# Altium PCB PCB-Tester-Board-V1.PcbDoc (part 3 of 3)
Units mm, origin at the board's own origin, x right, y up, seen from the top; angles counter-clockwise.
Board outline 400 x 300 mm, 2 copper layers (Top Layer, Bottom Layer); 573 components, 588 nets, 2372 pads, 0 vias.
Unrouted connection lines stored in the file: 1691.
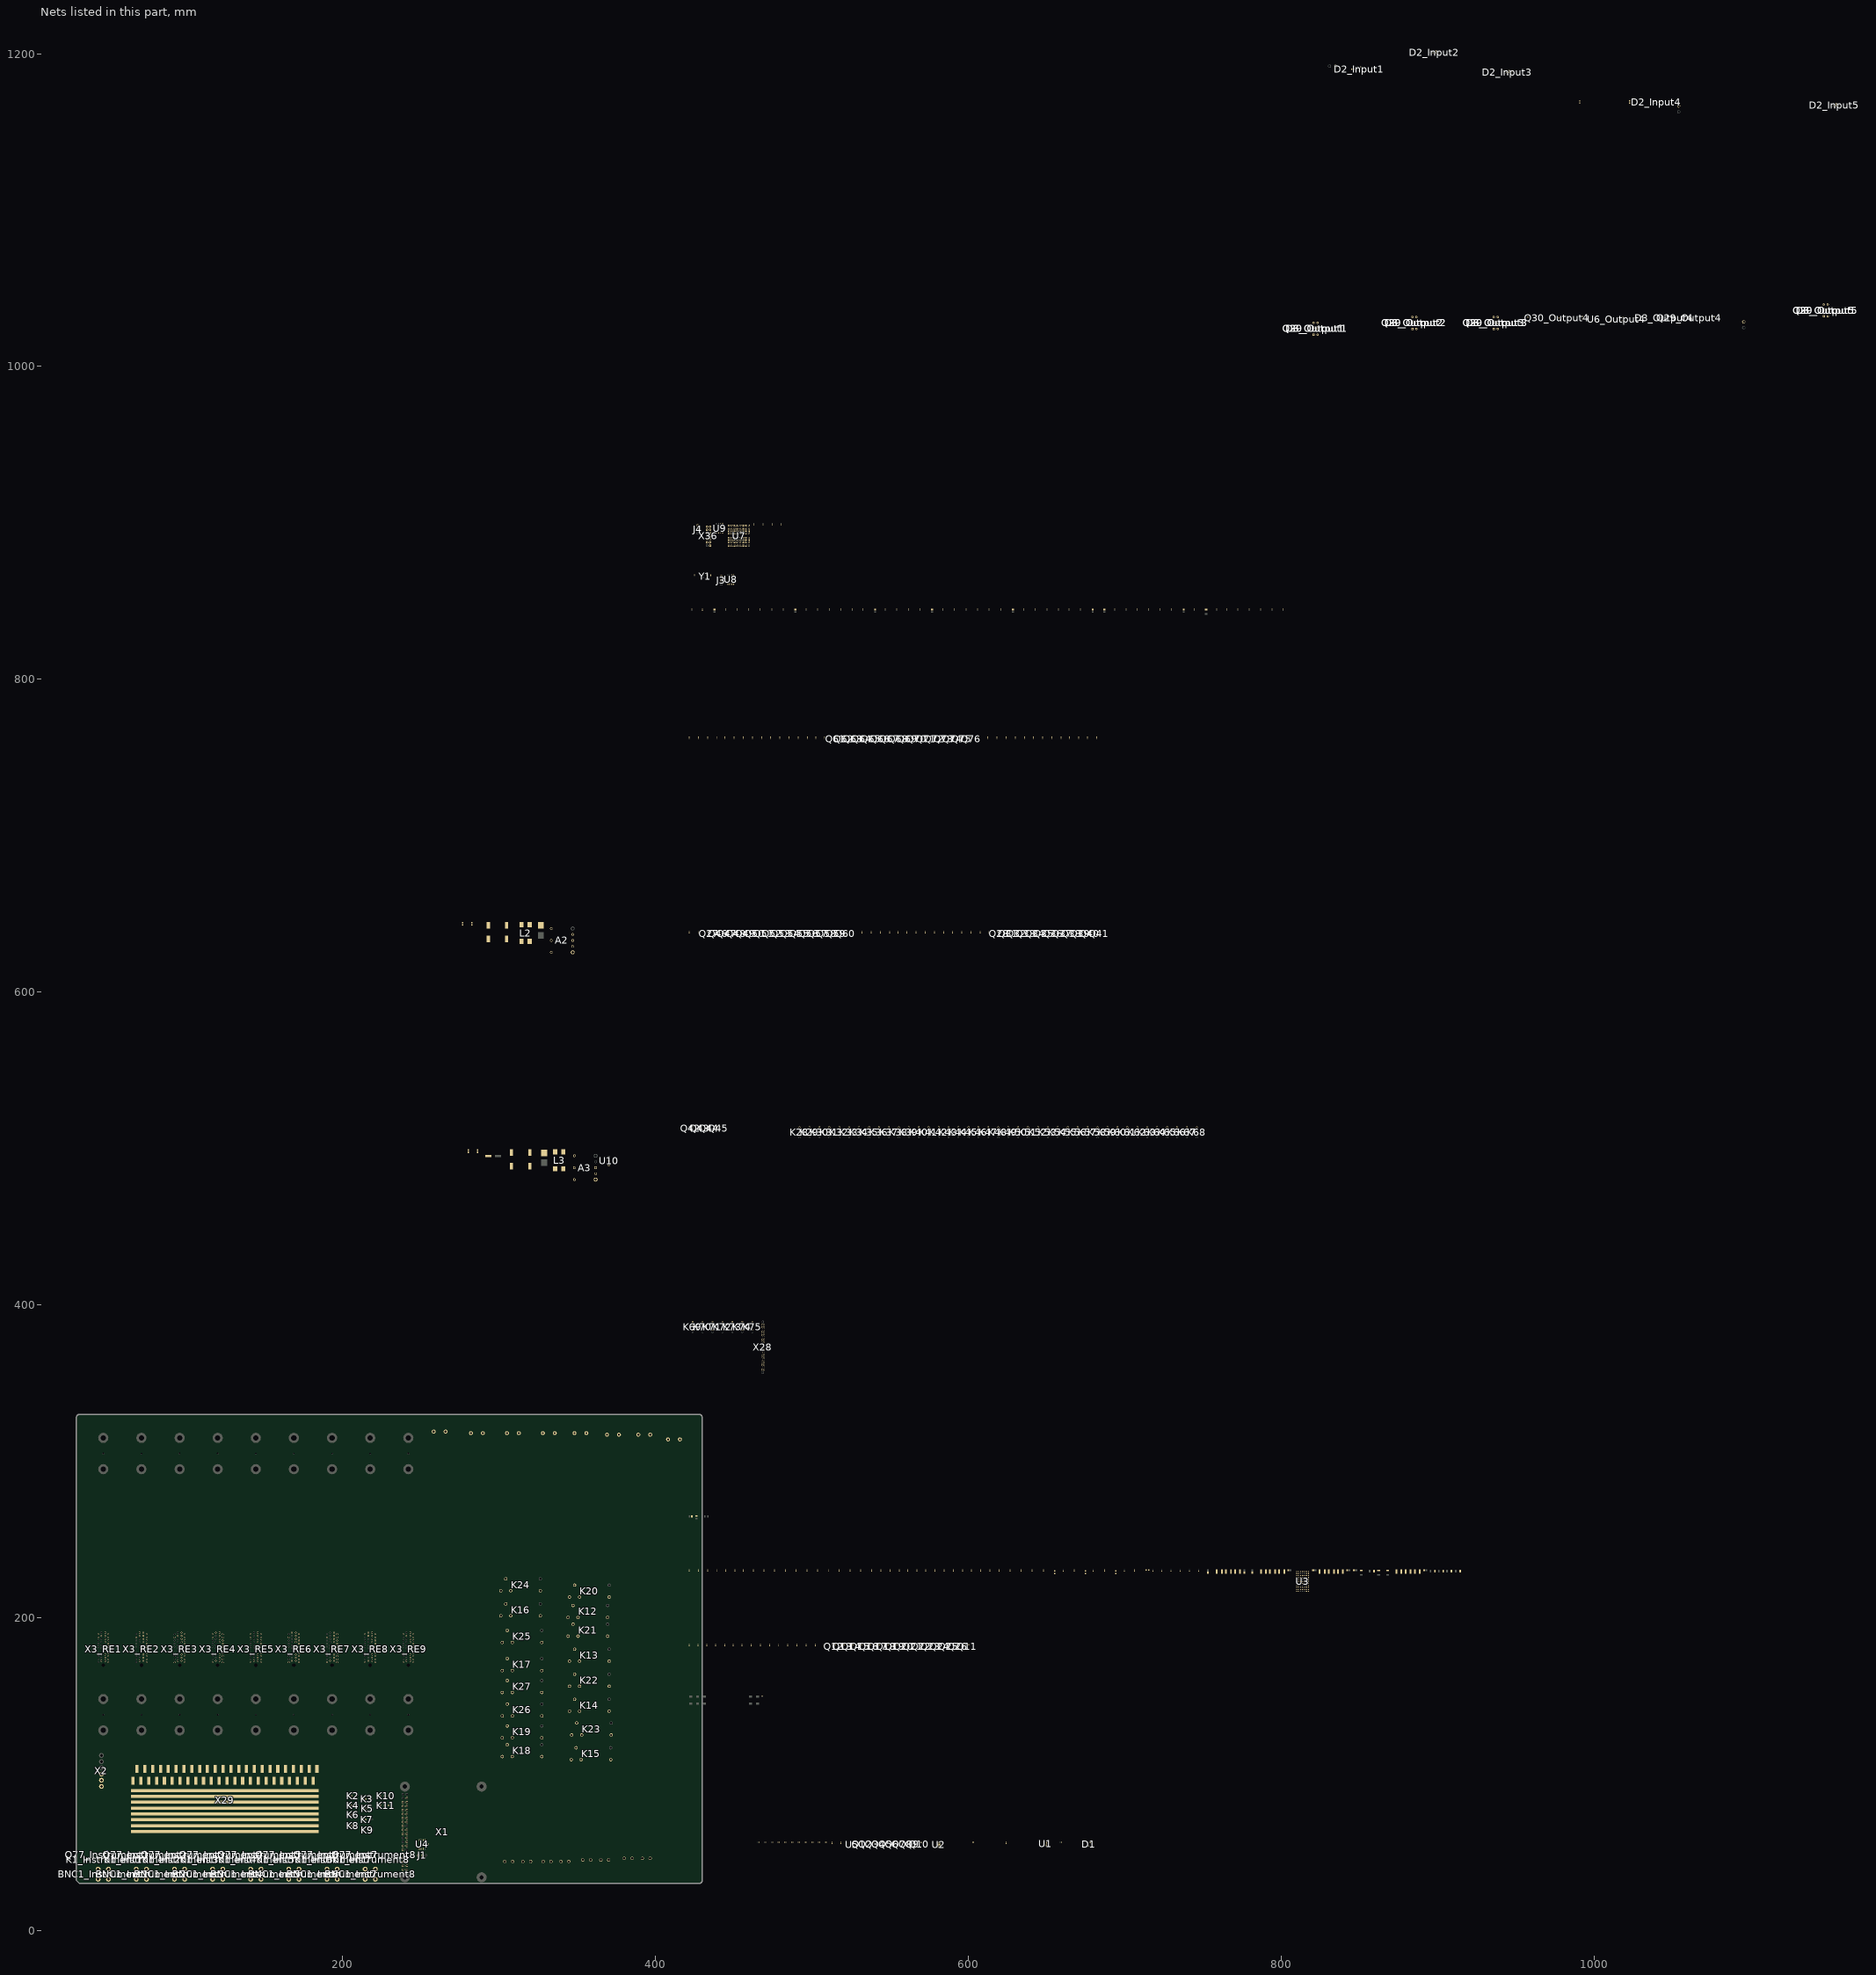
[diagram p3: the nets of this part, all layers, seen from the top]

## Nets (pads, with @x,y where several pads share a name; then routed paths per layer and width w, separated by ;. In a path a pad name is that pad's centre, name@x,y a point inside that pad or via, vN(x,y) a via of type N, cw(c..) or ccw(c..) an arc to the next point about the centre after c; other vN are vias at no path point) (continued)
\CS4: X1.7 X3_RE3.B18
\CS5: X1.5 X3_RE4.B18
\CS6: X1.3 X3_RE5.B18
\CS7: X1.36 X3_RE6.B18
\CS8: X1.33 X3_RE7.B18
\CS9: X1.8 X3_RE8.B18
\CS10: X1.10 X3_RE9.B18
ABUS0: K1_Instrument1.4 K2.3 X3_RE1.A1 X3_RE2.A1 X3_RE3.A1 X3_RE4.A1 X3_RE5.A1 X3_RE6.A1 X3_RE7.A1 X3_RE8.A1 X3_RE9.A1 X29.ABUS0
ABUS1: K1_Instrument2.4 K3.3 X3_RE1.A2 X3_RE2.A2 X3_RE3.A2 X3_RE4.A2 X3_RE5.A2 X3_RE6.A2 X3_RE7.A2 X3_RE8.A2 X3_RE9.A2 X29.ABUS1
ABUS2: K1_Instrument3.4 K4.3 X3_RE1.A3 X3_RE2.A3 X3_RE3.A3 X3_RE4.A3 X3_RE5.A3 X3_RE6.A3 X3_RE7.A3 X3_RE8.A3 X3_RE9.A3 X29.ABUS2
ABUS3: K1_Instrument4.4 K5.3 X3_RE1.A4 X3_RE2.A4 X3_RE3.A4 X3_RE4.A4 X3_RE5.A4 X3_RE6.A4 X3_RE7.A4 X3_RE8.A4 X3_RE9.A4 X29.ABUS3
ABUS4: K1_Instrument5.4 K6.3 X3_RE1.A5 X3_RE2.A5 X3_RE3.A5 X3_RE4.A5 X3_RE5.A5 X3_RE6.A5 X3_RE7.A5 X3_RE8.A5 X3_RE9.A5 X29.ABUS4
ABUS5: K1_Instrument6.4 K7.3 X3_RE1.A6 X3_RE2.A6 X3_RE3.A6 X3_RE4.A6 X3_RE5.A6 X3_RE6.A6 X3_RE7.A6 X3_RE8.A6 X3_RE9.A6 X29.ABUS5
ABUS6: K1_Instrument7.4 K8.3 X3_RE1.A7 X3_RE2.A7 X3_RE3.A7 X3_RE4.A7 X3_RE5.A7 X3_RE6.A7 X3_RE7.A7 X3_RE8.A7 X3_RE9.A7 X29.ABUS6
ABUS7: K1_Instrument8.4 K9.3 X3_RE1.A8 X3_RE2.A8 X3_RE3.A8 X3_RE4.A8 X3_RE5.A8 X3_RE6.A8 X3_RE7.A8 X3_RE8.A8 X3_RE9.A8 X29.ABUS7
COMP1_54: C49.1 R110.2 U3.B7
COMP2_54: C46.1 R107.2 U3.E7
COMP3_54: C43.1 R109.2 U3.H7
COMP4_54: C40.1 R108.2 U3.L7
DRV1: Q1.1 R2.2 U7.F5
DRV2: Q2.1 R3.2 U7.C6
DRV3: Q3.1 R4.2 U7.C5
DRV4: Q4.1 R5.2 U7.B7
DRV5: Q5.1 R6.2 U7.B6
DRV6: Q6.1 R7.2 U7.A6
DRV7: Q7.1 R8.2 U7.A5
DRV8: Q8.1 R9.2 U7.D8
DRV9: Q9.1 R14.2 U7.C7
DRV10: Q10.1 R15.2 U7.E6
DRV11: Q30_Output5.1 R38_Output5.2 U7.E5
DRV12: Q30_Output4.1 R38_Output4.2 U7.E7
DRV13: Q30_Output3.1 R38_Output3.2 U7.D7
DRV14: Q30_Output2.1 R38_Output2.2 U7.C4
DRV15: Q30_Output1.1 R38_Output1.2 U7.B4
DRV16: Q77_Instrument1.1 R1_Instrument1.2 U7.A4
DRV17: Q77_Instrument2.1 R1_Instrument2.2 U7.A3
DRV18: Q77_Instrument3.1 R1_Instrument3.2 U7.B1
DRV19: Q77_Instrument4.1 R1_Instrument4.2 U7.A1
DRV20: Q77_Instrument5.1 R1_Instrument5.2 U7.B3
DRV21: Q77_Instrument6.1 R1_Instrument6.2 U7.B2
DRV22: Q77_Instrument7.1 R1_Instrument7.2 U7.D5
DRV23: Q77_Instrument8.1 R1_Instrument8.2 U7.D4
DRV24: Q12.1 R17.2 U7.E3
DRV25: Q13.1 R18.2 U7.D3
DRV26: Q14.1 R19.2 U7.F4
DRV27: Q15.1 R20.2 U7.F3
DRV28: Q16.1 R21.2 U7.E2
DRV29: Q17.1 R22.2 U7.D2
DRV30: Q18.1 R23.2 U7.H2
DRV31: Q19.1 R24.2 U7.G2
DRV32: Q20.1 R25.2 U7.C2
DRV33: Q21.1 R26.2 U7.C1
DRV34: Q22.1 R27.2 U7.H1
DRV35: Q23.1 R28.2 U7.G1
DRV36: Q24.1 R29.2 U7.F1
DRV37: Q25.1 R30.2 U7.E1
DRV38: Q26.1 R31.2 U7.G6
DRV39: Q11.1 R16.2 U7.F6
DRV40: Q28.1 R33.2 U7.G4
DRV41: Q31.1 R48.2 U7.G3
DRV42: Q32.1 R49.2 U7.J4
DRV43: Q33.1 R50.2 U7.H4
DRV44: Q34.1 R51.2 U7.J3
DRV45: Q35.1 R52.2 U7.J2
DRV46: Q36.1 R53.2 U7.K2
DRV47: Q37.1 R54.2 U7.K1
DRV48: Q38.1 R55.2 U7.H6
DRV49: Q39.1 R56.2 U7.H5
DRV50: Q40.1 R57.2 U7.J5
DRV51: Q41.1 R58.2 U7.K6
DRV52: Q42.1 R59.2 U7.L1
DRV53: Q43.1 R60.2 U7.M1
DRV54: Q44.1 R61.2 U7.K3
DRV55: Q45.1 R62.2 U7.L3
DRV56: Q27.1 R32.2 U7.N2
DRV57: Q46.1 R63.2 U7.N1
DRV58: Q47.1 R64.2 U7.M3
DRV59: Q48.1 R65.2 U7.M2
DRV60: Q49.1 R66.2 U7.K5
DRV61: Q50.1 R67.2 U7.L4
DRV62: Q51.1 R68.2 U7.L6
DRV63: Q52.1 R69.2 U7.L5
DRV64: Q53.1 R70.2 U7.U1
DRV65: Q54.1 R71.2 U7.V1
DRV66: Q55.1 R72.2 U7.U4
DRV67: Q56.1 R73.2 U7.U3
DRV68: Q57.1 R74.2 U7.U2
DRV69: Q58.1 R75.2 U7.V2
DRV70: Q59.1 R76.2 U7.V5
DRV71: Q60.1 R77.2 U7.V4
DRV72: Q61.1 R78.2 U7.R3
DRV73: Q62.1 R79.2 U7.T3
DRV74: Q63.1 R80.2 U7.T5
DRV75: Q64.1 R81.2 U7.T4
DRV76: Q65.1 R82.2 U7.N5
DRV77: Q66.1 R83.2 U7.P5
DRV78: Q67.1 R84.2 U7.P4
DRV79: Q68.1 R85.2 U7.P3
DRV80: Q69.1 R86.2 U7.P2
DRV81: Q70.1 R87.2 U7.R2
DRV82: Q71.1 R88.2 U7.M4
DRV83: Q72.1 R89.2 U7.N4
DRV84: Q73.1 R90.2 U7.R1
DRV85: Q74.1 R91.2 U7.T1
DRV86: Q75.1 R92.2 U7.M6
DRV87: Q76.1 R93.2 U7.N6
FB1_54: C36.1 C37.2 R122.2 U3.A7
FB2_54: C50.1 C51.2 R119.2 U3.D7
FB3_54: C52.1 C53.2 R116.2 U3.G7
FB4_54: C54.1 C55.2 R113.2 U3.J7
GND: A2.2 A2.3 A2.4 A3.2 A3.3 A3.4 BNC1_Instrument1.0 BNC1_Instrument2.0 BNC1_Instrument3.0 BNC1_Instrument4.0 BNC1_Instrument5.0 BNC1_Instrument6.0 BNC1_Instrument7.0 BNC1_Instrument8.0 C1.2 C2.2 C3.2 C4.2 C5.2 C6.2 C7.2 C8.2 C9.2 C10.2 C12.2 C15.2 C16.2 C17.2 C18.2 C19.2 C20.2 C21.2 C22.2 C23.2 C24.2 C25.2 C26.2 C27.2 C28.2 C29.2 C30.2 C31.2 C32.2 C33.2 C34.2 C35.2 C36.2 C38.2 C39.2 C40.2 C41.2 C42.2 C43.2 C44.2 C45.2 C46.2 C47.2 C48.2 C49.2 C50.2 C52.2 C54.2 C310.2 C311.2 C312.2 C313.2 C314.2 C315.2 C316.2 C317.2 C318.2 C430.2 C431.2 C432.2 C433.2 C434.2 C435.2 C436.2 C437.2 C438.2 C439.2 C440.2 C441.2 C442.2 C443.2 C444.2 C445.2 C446.2 C447.2 C448.2 C449.2 C450.2 C451.2 C452.2 C453.2 C454.2 C455.2 C456.2 C457.2 C458.2 C459.2 C460.2 C461.2 C462.2 C463.2 C464.2 C465.2 C466.2 C467.2 C468.2 C469.2 C470.1 C470.2 C471.2 C476.2 C477.2 D1.1 D2_Input1.1 D2_Input2.1 D2_Input3.1 D2_Input4.1 D2_Input5.1 J1.3 J3.3 J4.3 L2.3 L3.3 Q1.2 Q2.2 Q3.2 Q4.2 Q5.2 Q6.2 Q7.2 Q8.2 Q9.2 Q10.2 Q11.2 Q12.2 Q13.2 Q14.2 Q15.2 Q16.2 Q17.2 Q18.2 Q19.2 Q20.2 Q21.2 Q22.2 Q23.2 Q24.2 Q25.2 Q26.2 Q27.2 Q28.2 Q30_Output1.2 Q30_Output2.2 Q30_Output3.2 Q30_Output4.2 Q30_Output5.2 Q31.2 Q32.2 Q33.2 Q34.2 Q35.2 Q36.2 Q37.2 Q38.2 Q39.2 Q40.2 Q41.2 Q42.2 Q43.2 Q44.2 Q45.2 Q46.2 Q47.2 Q48.2 Q49.2 Q50.2 Q51.2 Q52.2 Q53.2 Q54.2 Q55.2 Q56.2 Q57.2 Q58.2 Q59.2 Q60.2 Q61.2 Q62.2 Q63.2 Q64.2 Q65.2 Q66.2 Q67.2 Q68.2 Q69.2 Q70.2 Q71.2 Q72.2 Q73.2 Q74.2 Q75.2 Q76.2 Q77_Instrument1.2 Q77_Instrument2.2 Q77_Instrument3.2 Q77_Instrument4.2 Q77_Instrument5.2 Q77_Instrument6.2 Q77_Instrument7.2 Q77_Instrument8.2 R1_Instrument1.1 R1_Instrument2.1 R1_Instrument3.1 R1_Instrument4.1 R1_Instrument5.1 R1_Instrument6.1 R1_Instrument7.1 R1_Instrument8.1 R2.1 R3.1 R4.1 R5.1 R6.1 R7.1 R8.1 R9.1 R13.1 R14.1 R15.1 R16.1 R17.1 R18.1 R19.1 R20.1 R21.1 R22.1 R23.1 R24.1 R25.1 R26.1 R27.1 R28.1 R29.1 R30.1 R31.1 R32.1 R33.1 R35_Input1.1 R35_Input2.1 R35_Input3.1 R35_Input4.1 R35_Input5.1 R38_Output1.1 R38_Output2.1 R38_Output3.1 R38_Output4.1 R38_Output5.1 R40.1 R42.1 R48.1 R49.1 R50.1 R51.1 R52.1 R53.1 R54.1 R55.1 R56.1 R57.1 R58.1 R59.1 R60.1 R61.1 R62.1 R63.1 R64.1 R65.1 R66.1 R67.1 R68.1 R69.1 R70.1 R71.1 R72.1 R73.1 R74.1 R75.1 R76.1 R77.1 R78.1 R79.1 R80.1 R81.1 R82.1 R83.1 R84.1 R85.1 R86.1 R87.1 R88.1 R89.1 R90.1 R91.1 R92.1 R93.1 R111.1 R112.1 R113.1 R114.1 R115.1 R116.1 R117.1 R118.1 R119.1 R120.1 R121.1 R122.1 U1.2 U2.4 U2.5 U2.11 U3.A4 U3.A5 U3.B1 U3.B2 U3.C5 U3.D3 U3.D4 U3.D5 U3.E1 U3.E2 U3.F5 U3.F7 U3.G3 U3.G4 U3.G5 U3.H1 U3.H2 U3.J5 U3.K3 U3.K4 U3.L1 U3.L2 U4.1 U4.2 U4.3 U4.4 U5.1 U5.2 U6_Output1.2 U6_Output1.3 U6_Output2.2 U6_Output2.3 U6_Output3.2 U6_Output3.3 U6_Output4.2 U6_Output4.3 U6_Output5.2 U6_Output5.3 U7.A2 U7.A12 U7.B5 U7.B15 U7.C8 U7.C18 U7.D1 U7.D11 U7.E4 U7.E8 U7.E14 U7.F7 U7.F9 U7.F11 U7.F17 U7.G8 U7.G10 U7.G12 U7.H3 U7.H7 U7.H9 U7.H11 U7.H13 U7.J6 U7.J8 U7.J9 U7.J10 U7.J12 U7.J16 U7.K7 U7.K9 U7.K10 U7.K11 U7.L2 U7.L8 U7.L12 U7.L15 U7.M5 U7.M7 U7.M9 U7.M11 U7.M15 U7.N8 U7.N10 U7.N12 U7.N18 U7.P1 U7.P11 U7.P13 U7.R4 U7.R14 U7.T7 U7.T17 U7.U10 U7.V3 U7.V13 U8.4 U9.4 U10.2 X1.6 X1.9 X1.14 X1.20 X1.25 X1.30 X1.34 X1.39 X2.4 X2.5 X2.6 X3_RE1.A9 X3_RE1.A10 X3_RE1.A11 X3_RE1.A12 X3_RE1.A13 X3_RE1.A14 X3_RE1.A15 X3_RE1.A16 X3_RE1.B2 X3_RE1.B3 X3_RE1.B4 X3_RE2.A9 X3_RE2.A10 X3_RE2.A11 X3_RE2.A12 X3_RE2.A13 X3_RE2.A14 X3_RE2.A15 X3_RE2.A16 X3_RE2.B1 X3_RE2.B3 X3_RE2.B4 X3_RE3.A9 X3_RE3.A10 X3_RE3.A11 X3_RE3.A12 X3_RE3.A13 X3_RE3.A14 X3_RE3.A15 X3_RE3.A16 X3_RE3.B3 X3_RE3.B4 X3_RE4.A9 X3_RE4.A10 X3_RE4.A11 X3_RE4.A12 X3_RE4.A13 X3_RE4.A14 X3_RE4.A15 X3_RE4.A16 X3_RE4.B1 X3_RE4.B2 X3_RE4.B4 X3_RE5.A9 X3_RE5.A10 X3_RE5.A11 X3_RE5.A12 X3_RE5.A13 X3_RE5.A14 X3_RE5.A15 X3_RE5.A16 X3_RE5.B2 X3_RE5.B4 X3_RE6.A9 X3_RE6.A10 X3_RE6.A11 X3_RE6.A12 X3_RE6.A13 X3_RE6.A14 X3_RE6.A15 X3_RE6.A16 X3_RE6.B1 X3_RE6.B4 X3_RE7.A9 X3_RE7.A10 X3_RE7.A11 X3_RE7.A12 X3_RE7.A13 X3_RE7.A14 X3_RE7.A15 X3_RE7.A16 X3_RE7.B4 X3_RE8.A9 X3_RE8.A10 X3_RE8.A11 X3_RE8.A12 X3_RE8.A13 X3_RE8.A14 X3_RE8.A15 X3_RE8.A16 X3_RE8.B1 X3_RE8.B2 X3_RE8.B3 X3_RE9.A9 X3_RE9.A10 X3_RE9.A11 X3_RE9.A12 X3_RE9.A13 X3_RE9.A14 X3_RE9.A15 X3_RE9.A16 X3_RE9.B2 X3_RE9.B3 X36.1 X36.3 X36.5 X36.7 X36.9 X36.11 X36.13 Y1.2
ID_SC: U4.6 X1.28
ID_SD: U4.5 X1.27
In1: D2_Input5.3 R34_Input5.2 R35_Input5.2 X1.11
In2: D2_Input4.3 R34_Input4.2 R35_Input4.2 X1.13
In3: D2_Input3.3 R34_Input3.2 R35_Input3.2 X1.15
In4: D2_Input2.3 R34_Input2.2 R35_Input2.2 X1.35
In5: D2_Input1.3 R34_Input1.2 R35_Input1.2 X1.37
INTVCC1_54: R100.2 U3.C4
INTVCC2_54: R102.2 U3.F4
INTVCC3_54: R104.2 U3.J4
INTVCC4_54: R106.2 U3.K5
MISO: U2.7 U7.C11 X1.21 X3_RE1.A18 X3_RE2.A18 X3_RE3.A18 X3_RE4.A18 X3_RE5.A18 X3_RE6.A18 X3_RE7.A18 X3_RE8.A18 X3_RE9.A18
MOSI: U7.C10 X1.19 X3_RE1.A17 X3_RE2.A17 X3_RE3.A17 X3_RE4.A17 X3_RE5.A17 X3_RE6.A17 X3_RE7.A17 X3_RE8.A17 X3_RE9.A17
NetA2_1: A2.1 C12.1 L2.4
NetA2_5: A2.5
NetA2_6: A2.6 R39.2
NetA3_1: A3.1 C15.1 L3.4 U10.1
NetA3_5: A3.5
NetA3_6: A3.6 R41.2
NetBNC1_Instrument1_1: BNC1_Instrument1.1 K1_Instrument1.3
NetBNC1_Instrument2_1: BNC1_Instrument2.1 K1_Instrument2.3
NetBNC1_Instrument3_1: BNC1_Instrument3.1 K1_Instrument3.3
NetBNC1_Instrument4_1: BNC1_Instrument4.1 K1_Instrument4.3
NetBNC1_Instrument5_1: BNC1_Instrument5.1 K1_Instrument5.3
NetBNC1_Instrument6_1: BNC1_Instrument6.1 K1_Instrument6.3
NetBNC1_Instrument7_1: BNC1_Instrument7.1 K1_Instrument7.3
NetBNC1_Instrument8_1: BNC1_Instrument8.1 K1_Instrument8.3
NetC3_1: C3.1 R12.1 U2.3
NetC11_1: C11.1 F1.2 L2.1
NetC11_2: C11.2 L2.2
NetC14_1: C14.1 F2.2 L3.1
NetC14_2: C14.2 L3.2
NetC39_1: C39.1 R108.1
NetC42_1: C42.1 R109.1
NetC45_1: C45.1 R107.1
NetC48_1: C48.1 R110.1
NetD1_3: D1.3 K11.4 R11.2 R13.2 U1.3
NetD3_Output1_1: D3_Output1.1 U6_Output1.4 X33_Output1.2
NetD3_Output2_1: D3_Output2.1 U6_Output2.4 X33_Output2.2
NetD3_Output3_1: D3_Output3.1 U6_Output3.4 X33_Output3.2
NetD3_Output4_1: D3_Output4.1 U6_Output4.4 X33_Output4.2
NetD3_Output5_1: D3_Output5.1 U6_Output5.4 X33_Output5.2
NetD9_1: D9.1 R99.1
NetD10_1: D10.1 R101.1
NetD11_1: D11.1 R103.1
NetD12_1: D12.1 R105.1
NetJ1_2: J1.2 U4.7
NetJ3_2: J3.2 U8.3
NetJ4_2: J4.2 U9.3
NetK1_Instrument1_2: K1_Instrument1.2 Q77_Instrument1.3
NetK1_Instrument2_2: K1_Instrument2.2 Q77_Instrument2.3
NetK1_Instrument3_2: K1_Instrument3.2 Q77_Instrument3.3
NetK1_Instrument4_2: K1_Instrument4.2 Q77_Instrument4.3
NetK1_Instrument5_2: K1_Instrument5.2 Q77_Instrument5.3
NetK1_Instrument6_2: K1_Instrument6.2 Q77_Instrument6.3
NetK1_Instrument7_2: K1_Instrument7.2 Q77_Instrument7.3
NetK1_Instrument8_2: K1_Instrument8.2 Q77_Instrument8.3
NetK2_2: K2.2 Q1.3
NetK2_4: K2.4 K3.4 K4.4 K5.4 K6.4 K7.4 K8.4 K9.4 K10.3 R10.1
NetK3_2: K3.2 Q2.3
NetK4_2: K4.2 Q3.3
NetK5_2: K5.2 Q4.3
NetK6_2: K6.2 Q5.3
NetK7_2: K7.2 Q6.3
NetK8_2: K8.2 Q7.3
NetK9_2: K9.2 Q8.3
NetK10_2: K10.2 Q9.3
NetK10_4: K10.4 K11.3 R10.2 R11.1
NetK11_2: K11.2 Q10.3
NetK12_2: K12.2 X6.1
NetK12_3: K12.3 X5.1
NetK12_4: K12.4
NetK12_5: K12.5 Q12.3
NetK13_2: K13.2 X6.2
NetK13_3: K13.3 X5.2
NetK13_4: K13.4
NetK13_5: K13.5 Q13.3
NetK14_2: K14.2 X9.1
NetK14_3: K14.3 X8.1
NetK14_4: K14.4
NetK14_5: K14.5 Q14.3
NetK15_2: K15.2 X9.2
NetK15_3: K15.3 X8.2
NetK15_4: K15.4
NetK15_5: K15.5 Q15.3
NetK16_2: K16.2 X12.1
NetK16_3: K16.3 X11.1
NetK16_4: K16.4
NetK16_5: K16.5 Q16.3
NetK17_2: K17.2 X12.2
NetK17_3: K17.3 X11.2
NetK17_4: K17.4
NetK17_5: K17.5 Q17.3
NetK18_2: K18.2 X13.1
NetK18_3: K18.3 X14.1
NetK18_4: K18.4
NetK18_5: K18.5 Q18.3
NetK19_2: K19.2 X13.2
NetK19_3: K19.3 X14.2
NetK19_4: K19.4
NetK19_5: K19.5 Q19.3
NetK20_2: K20.2 X16.1
NetK20_3: K20.3 X18.1
NetK20_4: K20.4
NetK20_5: K20.5 Q20.3
NetK21_2: K21.2 X16.2
NetK21_3: K21.3 X18.2
NetK21_4: K21.4
NetK21_5: K21.5 Q21.3
NetK22_2: K22.2 X19.1
NetK22_3: K22.3 X20.1
NetK22_4: K22.4
NetK22_5: K22.5 Q22.3
NetK23_2: K23.2 X19.2
NetK23_3: K23.3 X20.2
NetK23_4: K23.4
NetK23_5: K23.5 Q23.3
NetK24_2: K24.2 X22.1
NetK24_3: K24.3 X23.1
NetK24_4: K24.4
NetK24_5: K24.5 Q24.3
NetK25_2: K25.2 X22.2
NetK25_3: K25.3 X23.2
NetK25_4: K25.4
NetK25_5: K25.5 Q25.3
NetK26_2: K26.2 X24.1
NetK26_3: K26.3 X26.1
NetK26_4: K26.4
NetK26_5: K26.5 Q26.3
NetK27_2: K27.2 X24.2
NetK27_3: K27.3 X26.2
NetK27_4: K27.4
NetK27_5: K27.5 Q11.3
NetK28_2: K28.2 Q28.3
NetK28_3: K28.3 X29.1
NetK28_4: K28.4 X28.1
NetK29_2: K29.2 Q31.3
NetK29_3: K29.3 X29.2
NetK29_4: K29.4 X28.2
NetK30_2: K30.2 Q32.3
NetK30_3: K30.3 X29.3
NetK30_4: K30.4 X28.3
NetK31_2: K31.2 Q33.3
NetK31_3: K31.3 X29.4
NetK31_4: K31.4 X28.4
NetK32_2: K32.2 Q34.3
NetK32_3: K32.3 X29.5
NetK32_4: K32.4 X28.5
NetK33_2: K33.2 Q35.3
NetK33_3: K33.3 X29.6
NetK33_4: K33.4 X28.6
NetK34_2: K34.2 Q36.3
NetK34_3: K34.3 X29.7
NetK34_4: K34.4 X28.7
NetK35_2: K35.2 Q37.3
NetK35_3: K35.3 X29.8
NetK35_4: K35.4 X28.8
NetK36_2: K36.2 Q38.3
NetK36_3: K36.3 X29.9
NetK36_4: K36.4 X28.9
NetK37_2: K37.2 Q39.3
NetK37_3: K37.3 X29.10
NetK37_4: K37.4 X28.10
NetK38_2: K38.2 Q40.3
NetK38_3: K38.3 X29.11
NetK38_4: K38.4 X28.11
NetK39_2: K39.2 Q41.3
NetK39_3: K39.3 X29.12
NetK39_4: K39.4 X28.12
NetK40_2: K40.2 Q42.3
NetK40_3: K40.3 X29.13
NetK40_4: K40.4 X28.13
NetK41_2: K41.2 Q43.3
NetK41_3: K41.3 X29.14
NetK41_4: K41.4 X28.14
NetK42_2: K42.2 Q44.3
NetK42_3: K42.3 X29.15
NetK42_4: K42.4 X28.15
NetK43_2: K43.2 Q45.3
NetK43_3: K43.3 X29.16
NetK43_4: K43.4 X28.16
NetK44_2: K44.2 Q27.3
NetK44_3: K44.3 X29.17
NetK44_4: K44.4 X28.17
NetK45_2: K45.2 Q46.3
NetK45_3: K45.3 X29.18
NetK45_4: K45.4 X28.18
NetK46_2: K46.2 Q47.3
NetK46_3: K46.3 X29.19
NetK46_4: K46.4 X28.19
NetK47_2: K47.2 Q48.3
NetK47_3: K47.3 X29.20
NetK47_4: K47.4 X28.20
NetK48_2: K48.2 Q49.3
NetK48_3: K48.3 X29.21
NetK48_4: K48.4 X28.21
NetK49_2: K49.2 Q50.3
NetK49_3: K49.3 X29.22
NetK49_4: K49.4 X28.22
NetK50_2: K50.2 Q51.3
NetK50_3: K50.3 X29.23
NetK50_4: K50.4 X28.23
NetK51_2: K51.2 Q52.3
NetK51_3: K51.3 X29.24
NetK51_4: K51.4 X28.24
NetK52_2: K52.2 Q53.3
NetK52_3: K52.3 X29.25
NetK52_4: K52.4 X28.25
NetK53_2: K53.2 Q54.3
NetK53_3: K53.3 X29.26
NetK53_4: K53.4 X28.26
NetK54_2: K54.2 Q55.3
NetK54_3: K54.3 X29.27
NetK54_4: K54.4 X28.27
NetK55_2: K55.2 Q56.3
NetK55_3: K55.3 X29.28
NetK55_4: K55.4 X28.28
NetK56_2: K56.2 Q57.3
NetK56_3: K56.3 X29.29
NetK56_4: K56.4 X28.29
NetK57_2: K57.2 Q58.3
NetK57_3: K57.3 X29.30
NetK57_4: K57.4 X28.30
NetK58_2: K58.2 Q59.3
NetK58_3: K58.3 X29.31
NetK58_4: K58.4 X28.31
NetK59_2: K59.2 Q60.3
NetK59_3: K59.3 X29.32
NetK59_4: K59.4 X28.32
NetK60_2: K60.2 Q61.3
NetK60_3: K60.3 X29.33
NetK60_4: K60.4 X28.33
NetK61_2: K61.2 Q62.3
NetK61_3: K61.3 X29.34
NetK61_4: K61.4 X28.34
NetK62_2: K62.2 Q63.3
NetK62_3: K62.3 X29.35
NetK62_4: K62.4 X28.35
NetK63_2: K63.2 Q64.3
NetK63_3: K63.3 X29.36
NetK63_4: K63.4 X28.36
NetK64_2: K64.2 Q65.3
NetK64_3: K64.3 X29.37
NetK64_4: K64.4 X28.37
NetK65_2: K65.2 Q66.3
NetK65_3: K65.3 X29.38
NetK65_4: K65.4 X28.38
NetK66_2: K66.2 Q67.3
NetK66_3: K66.3 X29.39
NetK66_4: K66.4 X28.39
NetK67_2: K67.2 Q68.3
NetK67_3: K67.3 X29.40
NetK67_4: K67.4 X28.40
NetK68_2: K68.2 Q69.3
NetK68_3: K68.3 X29.41
NetK68_4: K68.4 X28.41
NetK69_2: K69.2 Q70.3
NetK69_3: K69.3 X29.42
NetK69_4: K69.4 X28.42
NetK70_2: K70.2 Q71.3
NetK70_3: K70.3 X29.43
NetK70_4: K70.4 X28.43
NetK71_2: K71.2 Q72.3
NetK71_3: K71.3 X29.44
NetK71_4: K71.4 X28.44
NetK72_2: K72.2 Q73.3
NetK72_3: K72.3 X29.45
NetK72_4: K72.4 X28.45
NetK73_2: K73.2 Q74.3
NetK73_3: K73.3 X29.46
NetK73_4: K73.4 X28.46
NetK74_2: K74.2 Q75.3
NetK74_3: K74.3 X29.47
NetK74_4: K74.4 X28.47
NetK75_2: K75.2 Q76.3
NetK75_3: K75.3 X29.48
NetK75_4: K75.4 X28.48
NetQ29_Output1_1: Q29_Output1.1 R36_Output1.1 R37_Output1.2
NetQ29_Output1_3: Q29_Output1.3 U6_Output1.1
NetQ29_Output2_1: Q29_Output2.1 R36_Output2.1 R37_Output2.2
NetQ29_Output2_3: Q29_Output2.3 U6_Output2.1
NetQ29_Output3_1: Q29_Output3.1 R36_Output3.1 R37_Output3.2
NetQ29_Output3_3: Q29_Output3.3 U6_Output3.1
NetQ29_Output4_1: Q29_Output4.1 R36_Output4.1 R37_Output4.2
NetQ29_Output4_3: Q29_Output4.3 U6_Output4.1
NetQ29_Output5_1: Q29_Output5.1 R36_Output5.1 R37_Output5.2
NetQ29_Output5_3: Q29_Output5.3 U6_Output5.1
NetQ30_Output1_3: Q30_Output1.3 R37_Output1.1
NetQ30_Output2_3: Q30_Output2.3 R37_Output2.1
NetQ30_Output3_3: Q30_Output3.3 R37_Output3.1
NetQ30_Output4_3: Q30_Output4.3 R37_Output4.1
NetQ30_Output5_3: Q30_Output5.3 R37_Output5.1
NetR12_2: R12.2 U1.1 U1.4
NetR34_Input1_1: R34_Input1.1 X31_Input1.2
NetR34_Input2_1: R34_Input2.1 X31_Input2.2
NetR34_Input3_1: R34_Input3.1 X31_Input3.2
NetR34_Input4_1: R34_Input4.1 X31_Input4.2
NetR34_Input5_1: R34_Input5.1 X31_Input5.2
NetR39_1: R39.1 R40.2
NetR41_1: R41.1 R42.2
NetR43_1: R43.1 Y1.3
NetR43_2: R43.2 U7.D10
NetR44_1: R44.1 U7.P7
NetR45_1: R45.1 U7.P10
NetR46_1: R46.1 U7.P9
NetR47_1: R47.1 U7.L13 U9.1
NetR98_1: R98.1 U3.F3
NetR100_1: R100.1 R121.2 U3.B6
NetR102_1: R102.1 R118.2 U3.E6
NetR104_1: R104.1 R115.2 U3.H6
NetR106_1: R106.1 R112.2 U3.L6
NetU3_C7: U3.C7
NetU3_J3: U3.J3
NetU7_A8: U7.A8
NetU7_A11: U7.A11
NetU7_A13: U7.A13
NetU7_A14: U7.A14
NetU7_A15: U7.A15
NetU7_A16: U7.A16
NetU7_A18: U7.A18
NetU7_B8: U7.B8 U8.1
NetU7_B9: U7.B9 U8.6
NetU7_B11: U7.B11
NetU7_B12: U7.B12
NetU7_B13: U7.B13
NetU7_B14: U7.B14
NetU7_B16: U7.B16
NetU7_B17: U7.B17
NetU7_B18: U7.B18
NetU7_C9: U7.C9 U8.2
NetU7_C12: U7.C12
NetU7_C14: U7.C14
NetU7_C15: U7.C15
NetU7_C16: U7.C16
NetU7_C17: U7.C17
NetU7_D9: U7.D9 U8.5
NetU7_D12: U7.D12
NetU7_D13: U7.D13
NetU7_D14: U7.D14
NetU7_D15: U7.D15
NetU7_D17: U7.D17
NetU7_D18: U7.D18
NetU7_E9: U7.E9 U9.6
NetU7_E10: U7.E10 X36.6
NetU7_E11: U7.E11 X36.10
NetU7_E12: U7.E12 X36.4
NetU7_E13: U7.E13 X36.8
NetU7_E15: U7.E15
NetU7_E16: U7.E16
NetU7_E17: U7.E17
NetU7_E18: U7.E18
NetU7_F13: U7.F13
NetU7_F14: U7.F14
NetU7_F15: U7.F15
NetU7_F16: U7.F16
NetU7_F18: U7.F18
NetU7_G13: U7.G13
NetU7_G14: U7.G14
NetU7_G16: U7.G16
NetU7_G17: U7.G17
NetU7_G18: U7.G18
NetU7_H14: U7.H14
NetU7_H15: U7.H15
NetU7_H16: U7.H16
NetU7_H17: U7.H17
NetU7_J13: U7.J13
NetU7_J14: U7.J14
NetU7_J15: U7.J15
NetU7_J17: U7.J17
NetU7_J18: U7.J18
NetU7_K13: U7.K13
NetU7_K15: U7.K15
NetU7_K16: U7.K16
NetU7_K17: U7.K17 U9.5
NetU7_K18: U7.K18 U9.2
NetU7_L9: U7.L9
NetU7_L10: U7.L10
NetU7_L14: U7.L14
NetU7_L16: U7.L16
NetU7_L18: U7.L18
NetU7_M13: U7.M13
NetU7_M14: U7.M14
NetU7_M16: U7.M16
NetU7_M17: U7.M17
NetU7_M18: U7.M18
NetU7_N14: U7.N14
NetU7_N15: U7.N15
NetU7_N16: U7.N16
NetU7_N17: U7.N17
NetU7_P14: U7.P14
NetU7_P15: U7.P15
NetU7_P17: U7.P17
NetU7_P18: U7.P18
NetU7_R5: U7.R5
NetU7_R6: U7.R6
NetU7_R7: U7.R7
NetU7_R8: U7.R8
NetU7_R10: U7.R10
NetU7_R11: U7.R11
NetU7_R12: U7.R12
NetU7_R13: U7.R13
NetU7_R15: U7.R15
NetU7_R16: U7.R16
NetU7_R17: U7.R17
NetU7_R18: U7.R18
NetU7_T6: U7.T6
NetU7_T8: U7.T8
NetU7_T9: U7.T9
NetU7_T10: U7.T10
NetU7_T11: U7.T11
NetU7_T13: U7.T13
NetU7_T14: U7.T14
NetU7_T15: U7.T15
NetU7_T16: U7.T16
NetU7_T18: U7.T18
NetU7_U6: U7.U6
NetU7_U7: U7.U7
NetU7_U8: U7.U8
NetU7_U9: U7.U9
NetU7_U11: U7.U11
NetU7_U12: U7.U12
NetU7_U13: U7.U13
NetU7_U14: U7.U14
NetU7_U16: U7.U16
NetU7_U17: U7.U17
NetU7_U18: U7.U18
NetU7_V6: U7.V6
NetU7_V7: U7.V7
NetU7_V9: U7.V9
NetU7_V10: U7.V10
NetU7_V11: U7.V11
NetU7_V12: U7.V12
NetU7_V14: U7.V14
NetU7_V15: U7.V15
NetU7_V16: U7.V16
NetU7_V17: U7.V17
NetX1_12: X1.12
NetX1_16: X1.16
NetX1_18: X1.18
NetX1_22: X1.22
NetX1_32: X1.32
NetX1_38: X1.38
NetX1_40: X1.40
NetX36_12: X36.12
NetX36_14: X36.14
P12V0D_S: A2.7 J2.2
PGOOD1_54: D9.2 U3.C3
PGOOD2_54: D10.2 U3.C2
PGOOD3_54: D11.2 U3.F2
PGOOD4_54: D12.2 U3.J2
RUN1_54: R97.1 U3.C6
RUN2_54: R96.1 U3.F6
RUN3_54: R95.1 U3.J6
RUN4_54: R94.1 U3.K7
SCLK: U2.8 U7.A10 X1.23 X3_RE1.B17 X3_RE2.B17 X3_RE3.B17 X3_RE4.B17 X3_RE5.B17 X3_RE6.B17 X3_RE7.B17 X3_RE8.B17 X3_RE9.B17
TRACK/SS1_54: C47.1 R120.2 U3.A6
TRACK/SS2_54: C44.1 R117.2 U3.D6
TRACK/SS3_54: C41.1 R114.2 U3.G6
TRACK/SS4_54: C38.1 R111.2 U3.K6
Vout-I1_54: C24.1 C25.1 C26.1 C37.1 J5.1 J6.1 U3.A1 U3.A2 U3.A3
Vout-I2_54: C27.1 C28.1 C29.1 C51.1 J7.1 J8.1 U3.C1 U3.D1 U3.D2
Vout-I3_54: C30.1 C31.1 C32.1 C53.1 J9.1 J10.1 U3.F1 U3.G1 U3.G2
Vout-I4_54: C33.1 C34.1 C35.1 C55.1 J11.1 J12.1 U3.J1 U3.K1 U3.K2
pads on no net: D3_Output1.2 D3_Output2.2 D3_Output3.2 D3_Output4.2 D3_Output5.2 M1_RE1.0 M1_RE2.0 M1_RE3.0 M1_RE4.0 M1_RE5.0 M1_RE6.0 M1_RE7.0 M1_RE8.0 M1_RE9.0 M2_RE1.0 M2_RE2.0 M2_RE3.0 M2_RE4.0 M2_RE5.0 M2_RE6.0 M2_RE7.0 M2_RE8.0 M2_RE9.0 U5.3 U5.5 X1.0 X3_RE1.0 X3_RE2.0 X3_RE3.0 X3_RE4.0 X3_RE5.0 X3_RE6.0 X3_RE7.0 X3_RE8.0 X3_RE9.0 X28.0

## Silkscreen, mask and mechanical layers (free items; w line width, h text height)
Board Outline:
  lines w0.013: 428,30 32,30 30,32 30,328 cw(c32,328) 32,330 428,330 cw(c428,328) 430,328 430,32 ; 471.809,56.702 ccw(c471.809,58.702) 473.809,58.702
Top References:
  circle w0.013: c230,35 r1.7
  circle w0.013: c425,35 r1.7
  circle w0.013: c425,325 r1.7
  circle w0.013: c230,325 r1.7
  circle w0.013: c35,325 r1.7
  circle w0.013: c35,35 r1.7

## Text inside footprints (layer, text, board x,y; h text height)
C11: Top Overlay "-" at 292.116,633.65 h1.52 r90; Top Overlay "+" at 292.016,642.05 h1.52 r90
C12: Top Overlay "-" at 303.8,633.65 h1.52 r90; Top Overlay "+" at 303.7,642.05 h1.52 r90
C14: Top Overlay "-" at 306.92,488.335 h1.52 r90; Top Overlay "+" at 306.82,496.735 h1.52 r90
C15: Top Overlay "-" at 318.604,488.335 h1.52 r90; Top Overlay "+" at 318.504,496.735 h1.52 r90
C16: Top Overlay "-" at 292.936,496.394 h1.52; Top Overlay "+" at 298.786,496.444 h1.52